# Altium PCB PCB_3_3G_wireless.PcbDoc (part 3 of 6)
Units mm, origin at the board's own origin, x right, y up, seen from the top; angles counter-clockwise.
Board outline 800 x 450.44 mm, 4 copper layers (Top Layer, Y1, S2, Bottom Layer), stack 0.778 mm thick; 1293 components, 1283 nets, 3356 pads, 970 vias.
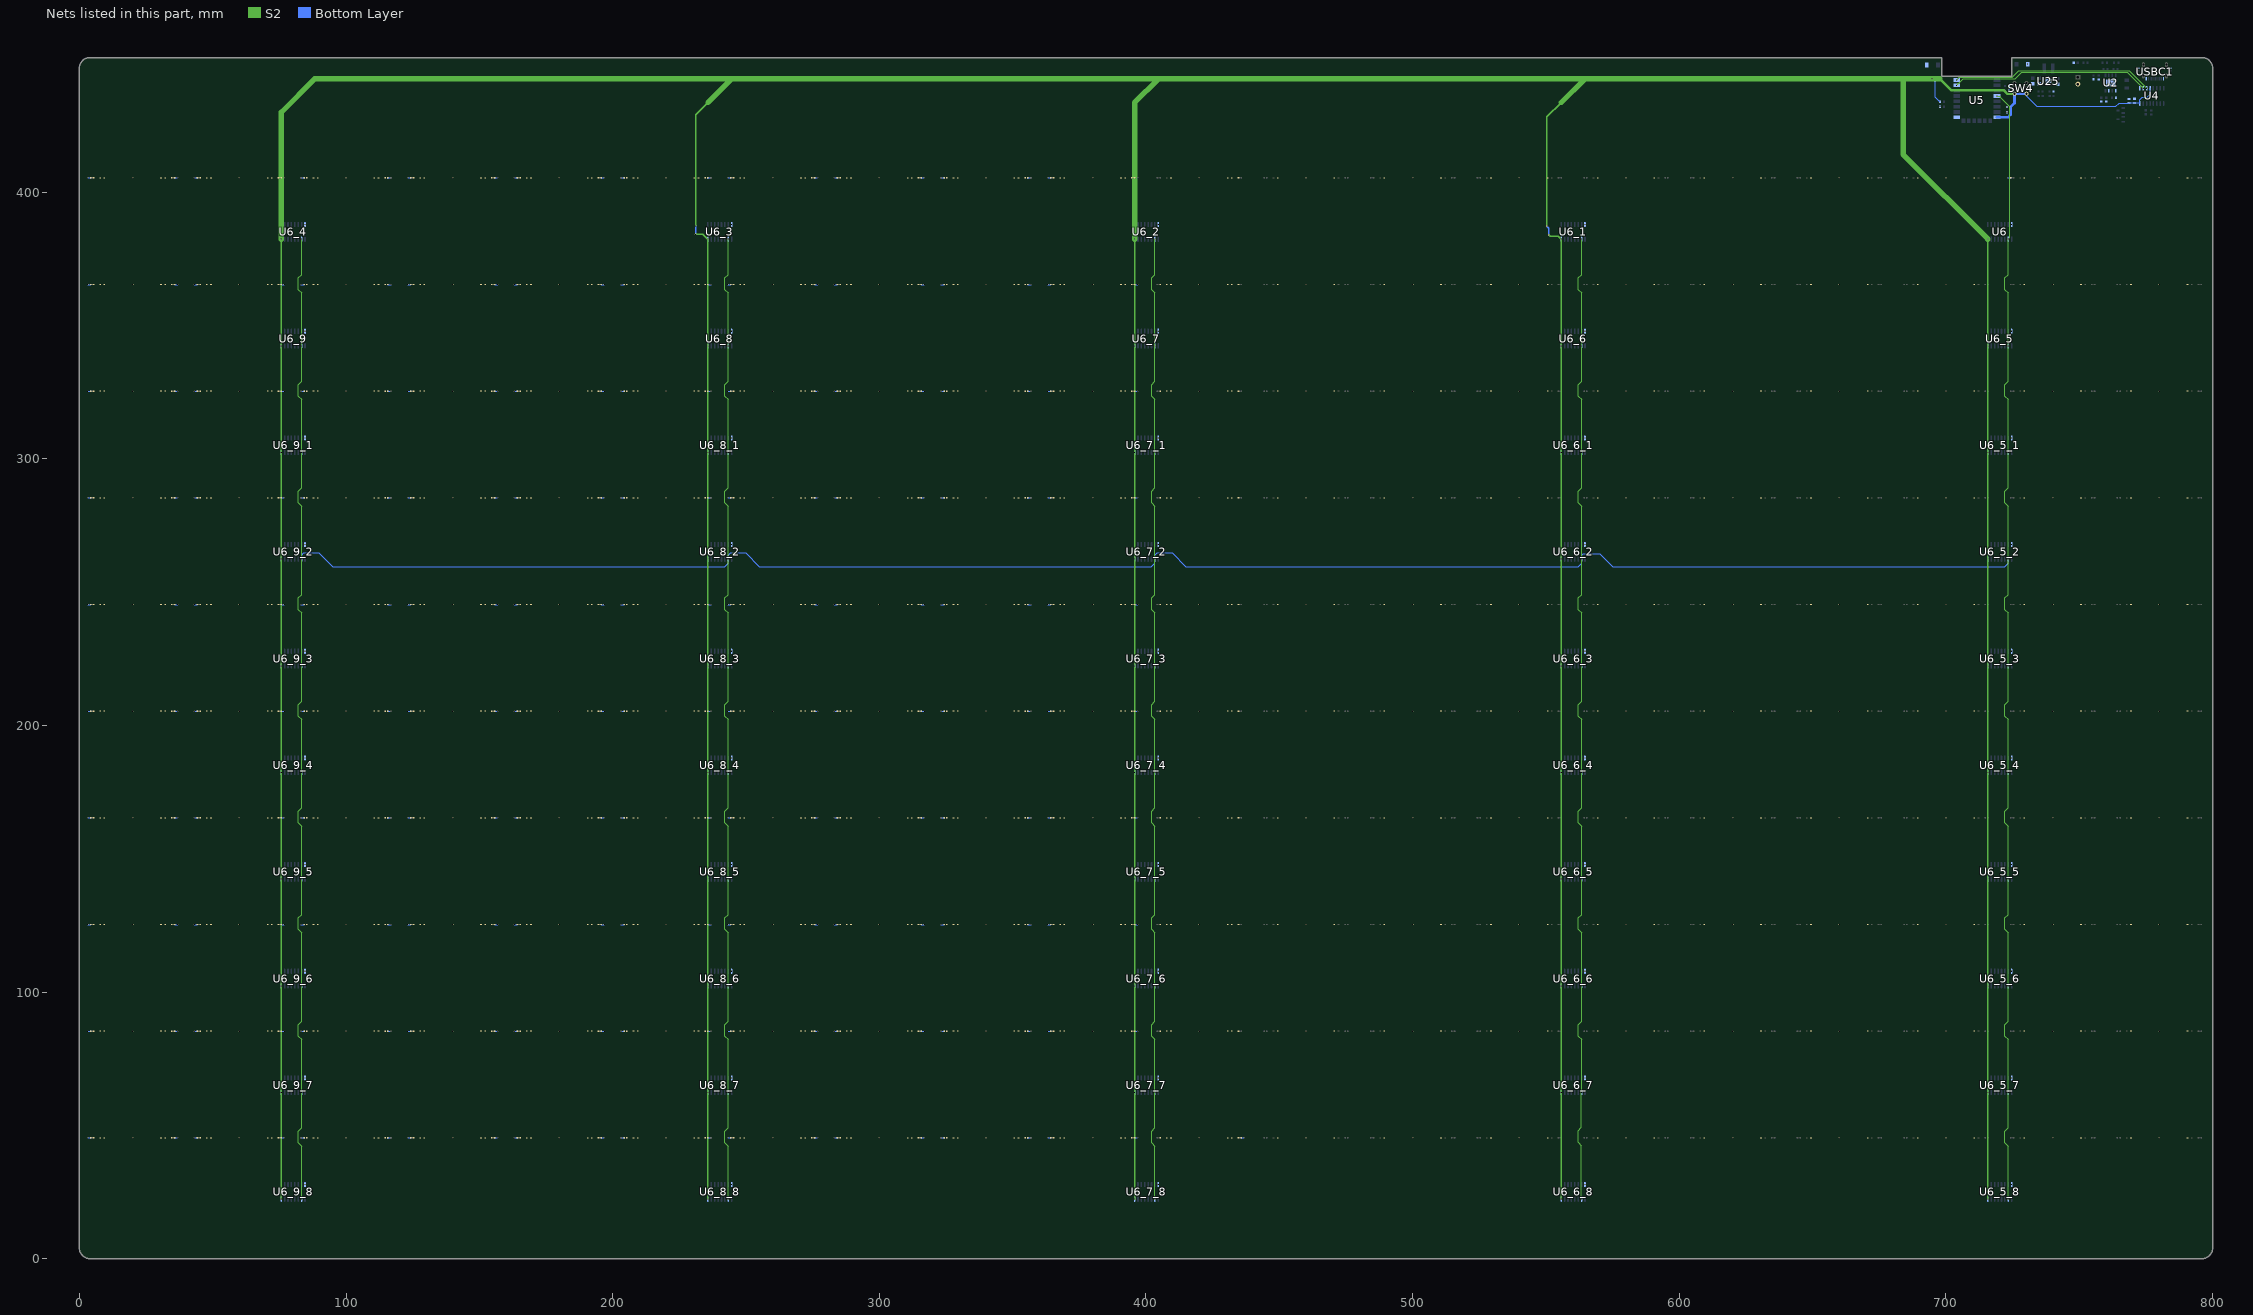
[diagram p5: the nets of this part, all layers, seen from the top]

## Via types
v1: diameter 0.5, hole 0.3, Top Layer to Bottom Layer, tented both sides, 612 vias
v2: diameter 0.45, hole 0.3, Top Layer to Bottom Layer, tented both sides, 354 vias
v3: diameter 0.6, hole 0.4, Top Layer to Bottom Layer, tented both sides, 4 vias

## Nets (pads, with @x,y where several pads share a name; then routed paths per layer and width w, separated by ;. In a path a pad name is that pad's centre, name@x,y a point inside that pad or via, vN(x,y) a via of type N, cw(c..) or ccw(c..) an arc to the next point about the centre after c; other vN are vias at no path point) (continued)
ESP_IO16: U5.4 U6.10 U6_1.10 U6_2.10 U6_3.10 U6_4.10 U6_5.10 U6_5_1.10 U6_5_2.10 U6_5_3.10 U6_5_4.10 U6_5_5.10 U6_5_6.10 U6_5_7.10 U6_5_8.10 U6_6.10 U6_6_1.10 U6_6_2.10 U6_6_3.10 U6_6_4.10 U6_6_5.10 U6_6_6.10 U6_6_7.10 U6_6_8.10 U6_7.10 U6_7_1.10 U6_7_2.10 U6_7_3.10 U6_7_4.10 U6_7_5.10 U6_7_6.10 U6_7_7.10 U6_7_8.10 U6_8.10 U6_8_1.10 U6_8_2.10 U6_8_3.10 U6_8_4.10 U6_8_5.10 U6_8_6.10 U6_8_7.10 U6_8_8.10 U6_9.10 U6_9_1.10 U6_9_2.10 U6_9_3.10 U6_9_4.10 U6_9_5.10 U6_9_6.10 U6_9_7.10 U6_9_8.10 | length 2566.6
  S2 w0.254: v2(83.341,22.328) 83.341,42.204 82.097,43.449 82.097,47.817 83.341,49.062 83.341,82.204 82.097,83.449 82.097,87.817 83.341,89.062 v2(83.341,102.328) 83.341,122.204 82.097,123.449 82.097,127.817 83.341,129.062 v2(83.341,142.328) 83.341,162.204 82.097,163.449 82.097,167.817 83.341,169.062 v2(83.341,182.328) 83.341,202.204 82.097,203.449 82.097,207.817 83.341,209.062 v2(83.341,222.328) 83.341,242.204 82.097,243.449 82.097,247.817 83.341,249.062 v2(83.341,262.328) 83.341,282.204 82.097,283.449 82.097,287.817 83.341,289.062 83.341,322.204 82.097,323.449 82.097,327.817 83.341,329.062 v2(83.341,342.328) 83.341,362.204 82.097,363.449 82.097,367.817 83.341,369.062 v2(83.341,382.328) ; v2(243.341,22.328) 243.341,42.204 242.097,43.449 242.097,47.817 243.341,49.062 v2(243.341,62.328) 243.341,82.204 242.097,83.449 242.097,87.817 243.341,89.062 v2(243.341,102.328) 243.341,122.204 242.097,123.449 242.097,127.817 243.341,129.062 v2(243.341,142.328) 243.341,162.204 242.097,163.449 242.097,167.817 243.341,169.062 v2(243.341,182.328) 243.341,202.204 242.097,203.449 242.097,207.817 243.341,209.062 243.341,242.204 242.097,243.449 242.097,247.817 243.341,249.062 243.341,282.204 242.097,283.449 242.097,287.817 243.341,289.062 v2(243.341,302.328) 243.341,322.204 242.097,323.449 242.097,327.817 243.341,329.062 v2(243.341,342.328) 243.341,362.204 242.097,363.449 242.097,367.817 243.341,369.062 v2(243.341,382.328) ; v2(403.341,22.328) 403.341,42.204 402.097,43.449 402.097,47.817 403.341,49.062 v2(403.341,62.328) 403.341,82.204 402.097,83.449 402.097,87.817 403.341,89.062 v2(403.341,102.328) 403.341,122.204 402.097,123.449 402.097,127.817 403.341,129.062 v2(403.341,142.328) 403.341,162.204 402.097,163.449 402.097,167.817 403.341,169.062 v2(403.341,182.328) 403.341,202.204 402.097,203.449 402.097,207.817 403.341,209.062 v2(403.341,222.328) 403.341,242.204 402.097,243.449 402.097,247.817 403.341,249.062 v2(403.341,262.328) 403.341,282.204 402.097,283.449 402.097,287.817 403.341,289.062 v2(403.341,302.328) 403.341,322.204 402.097,323.449 402.097,327.817 403.341,329.062 v2(403.341,342.328) 403.341,362.204 402.097,363.449 402.097,367.817 403.341,369.062 v2(403.341,382.328) ; v2@563.27,22.535 563.27,42.41 562.026,43.655 562.026,48.024 563.27,49.268 v2@563.27,62.535 ; v2(563.341,62.328) 563.341,82.204 562.097,83.449 562.097,87.817 563.341,89.062 v2(563.341,102.328) 563.341,122.204 562.097,123.449 562.097,127.817 563.341,129.062 563.341,162.204 562.097,163.449 562.097,167.817 563.341,169.062 563.341,202.204 562.097,203.449 562.097,207.817 563.341,209.062 563.341,242.204 562.097,243.449 562.097,247.817 563.341,249.062 563.341,282.204 562.097,283.449 562.097,287.817 563.341,289.062 v2(563.341,302.328) 563.341,322.204 562.097,323.449 562.097,327.817 563.341,329.062 v2(563.341,342.328) 563.341,362.204 562.097,363.449 562.097,367.817 563.341,369.062 v2(563.341,382.328) ; v2(719.112,436.009) 719.945,436.009 723.976,431.978 723.976,382.963 v2(723.341,382.328) 723.341,369.062 722.097,367.817 722.097,363.449 723.341,362.204 v2(723.341,342.328) 723.341,329.062 722.097,327.817 722.097,323.449 723.341,322.204 723.341,289.062 722.097,287.817 722.097,283.449 723.341,282.204 v2(723.341,262.328) 723.341,249.062 722.097,247.817 722.097,243.449 723.341,242.204 723.341,209.062 722.097,207.817 722.097,203.449 723.341,202.204 v2(723.341,182.328) 723.341,169.062 722.097,167.817 722.097,163.449 723.341,162.204 723.341,129.062 722.097,127.817 722.097,123.449 723.341,122.204 723.341,89.062 722.097,87.817 722.097,83.449 723.341,82.204 723.341,49.062 722.097,47.817 722.097,43.449 723.341,42.204 v2(723.341,22.328)
  Bottom Layer w0.254: v2(83.341,262.328) 83.341,263.789 84.21,264.658 89.849,264.658 94.98,259.527 242.046,259.527 243.341,260.822 v2(243.341,262.328) 243.341,263.789 244.21,264.658 249.849,264.658 254.98,259.527 402.046,259.527 403.341,260.822 v2(403.341,262.328) 403.341,263.789 404.21,264.658 409.849,264.658 414.98,259.527 562.046,259.527 563.341,260.822 v2(563.341,262.328) 563.341,263.789 563.992,264.439 570.067,264.439 574.98,259.527 722.046,259.527 723.341,260.822 v2(723.341,262.328)
  other v2: 563.341,22.328 83.341,62.328 723.341,62.328 723.341,102.328 563.341,142.328 723.341,142.328 563.341,182.328 243.341,222.328 563.341,222.328 723.341,222.328 83.341,302.328 723.341,302.328
ESP_RXD: U4.2 U5.15 | length 74.5
  S2 w0.381: v2(704.009,440.009) 706.408,442.408 725.136,442.408 725.198,442.471 726.008,442.471 728.416,444.878 768.042,444.878 v2(773.991,438.93)
ESP_TXD: U4.3 U5.16 | length 75.4
  S2 w0.381: v2(704.009,442.008) 705.044,443.043 724.873,443.043 727.343,445.513 768.677,445.513 v2(775.261,438.93)
GND: C1.1 C3.1 C4.1 C5.1 C6.1 C7.1 C8.2 C9.1 C12.1 C13.1 C14.1 D1.1 D1_1.1 D1_2.1 D1_3.1 D1_4.1 D1_5.1 D1_6.1 D1_7.1 D1_8.1 D1_9.1 D1_10.1 D1_11.1 D1_12.1 D1_13.1 D1_14.1 D1_15.1 D1_16.1 D1_17.1 D1_18.1 D1_19.1 D2.1 D2_1.1 D2_2.1 D2_3.1 D2_4.1 D2_5.1 D2_6.1 D2_7.1 D2_8.1 D2_9.1 D2_10.1 D2_11.1 D2_12.1 D2_13.1 D2_14.1 D2_15.1 D2_16.1 D2_17.1 D2_18.1 D2_19.1 D3.1 D3_1.1 D3_2.1 D3_3.1 D3_4.1 D3_5.1 D3_6.1 D3_7.1 D3_8.1 D3_9.1 D3_10.1 D3_11.1 D3_12.1 D3_13.1 D3_14.1 D3_15.1 D3_16.1 D3_17.1 D3_18.1 D3_19.1 D4.1 D4_1.1 D4_2.1 D4_3.1 D4_4.1 D4_5.1 D4_6.1 D4_7.1 D4_8.1 D4_9.1 D4_10.1 D4_11.1 D4_12.1 D4_13.1 D4_14.1 D4_15.1 D4_16.1 D4_17.1 D4_18.1 D4_19.1 D5.1 D5_1.1 D5_2.1 D5_3.1 D5_4.1 D5_5.1 D5_6.1 D5_7.1 D5_8.1 D5_9.1 D5_10.1 D5_11.1 D5_12.1 D5_13.1 D5_14.1 D5_15.1 D5_16.1 D5_17.1 D5_18.1 D5_19.1 D6.1 D6_1.1 D6_2.1 D6_3.1 D6_4.1 D6_5.1 D6_6.1 D6_7.1 D6_8.1 D6_9.1 D6_10.1 D6_11.1 D6_12.1 D6_13.1 D6_14.1 D6_15.1 D6_16.1 D6_17.1 D6_18.1 D6_19.1 D7.1 D7_1.1 D7_2.1 D7_3.1 D7_4.1 D7_5.1 D7_6.1 D7_7.1 D7_8.1 D7_9.1 D7_10.1 D7_11.1 D7_12.1 D7_13.1 D7_14.1 D7_15.1 D7_16.1 D7_17.1 D7_18.1 D7_19.1 D8.1 D8_1.1 D8_2.1 D8_3.1 D8_4.1 D8_5.1 D8_6.1 D8_7.1 D8_8.1 D8_9.1 D8_10.1 D8_11.1 D8_12.1 D8_13.1 D8_14.1 D8_15.1 D8_16.1 D8_17.1 D8_18.1 D8_19.1 D9.1 D9_1.1 D9_2.1 D9_3.1 D9_4.1 D9_5.1 D9_6.1 D9_7.1 D9_8.1 D9_9.1 D9_10.1 D9_11.1 D9_12.1 D9_13.1 D9_14.1 D9_15.1 D9_16.1 D9_17.1 D9_18.1 D9_19.1 D10.1 D10_1.1 D10_2.1 D10_3.1 D10_4.1 D10_5.1 D10_6.1 D10_7.1 D10_8.1 D10_9.1 D10_10.1 D10_11.1 D10_12.1 D10_13.1 D10_14.1 D10_15.1 D10_16.1 D10_17.1 D10_18.1 D10_19.1 D11.1 D11_1.1 D11_2.1 D11_3.1 D11_4.1 D11_5.1 D11_6.1 D11_7.1 D11_8.1 D11_9.1 D11_10.1 D11_11.1 D11_12.1 D11_13.1 D11_14.1 D11_15.1 D11_16.1 D11_17.1 D11_18.1 D11_19.1 D12.1 D12_1.1 D12_2.1 D12_3.1 D12_4.1 D12_5.1 D12_6.1 D12_7.1 D12_8.1 D12_9.1 D12_10.1 D12_11.1 D12_12.1 D12_13.1 D12_14.1 D12_15.1 D12_16.1 D12_17.1 D12_18.1 D12_19.1 D13.1 D13_1.1 D13_2.1 D13_3.1 D13_4.1 D13_5.1 D13_6.1 D13_7.1 D13_8.1 D13_9.1 D13_10.1 D13_11.1 D13_12.1 D13_13.1 D13_14.1 D13_15.1 D13_16.1 D13_17.1 D13_18.1 D13_19.1 D14.1 D14_1.1 D14_2.1 D14_3.1 D14_4.1 D14_5.1 D14_6.1 D14_7.1 D14_8.1 D14_9.1 D14_10.1 D14_11.1 D14_12.1 D14_13.1 D14_14.1 D14_15.1 D14_16.1 D14_17.1 D14_18.1 D14_19.1 D15.1 D15_1.1 D15_2.1 D15_3.1 D15_4.1 D15_5.1 D15_6.1 D15_7.1 D15_8.1 D15_9.1 D15_10.1 D15_11.1 D15_12.1 D15_13.1 D15_14.1 D15_15.1 D15_16.1 D15_17.1 D15_18.1 D15_19.1 D16.1 D16_1.1 D16_2.1 D16_3.1 D16_4.1 D16_5.1 D16_6.1 D16_7.1 D16_8.1 D16_9.1 D16_10.1 D16_11.1 D16_12.1 D16_13.1 D16_14.1 D16_15.1 D16_16.1 D16_17.1 D16_18.1 D16_19.1 D17.1 D17_1.1 D17_2.1 D17_3.1 D17_4.1 D17_5.1 D17_6.1 D17_7.1 D17_8.1 D17_9.1 D17_10.1 D17_11.1 D17_12.1 D17_13.1 D17_14.1 D17_15.1 D17_16.1 D17_17.1 D17_18.1 D17_19.1 D18.1 D18_1.1 D18_2.1 D18_3.1 D18_4.1 D18_5.1 D18_6.1 D18_7.1 D18_8.1 D18_9.1 D18_10.1 D18_11.1 D18_12.1 D18_13.1 D18_14.1 D18_15.1 D18_16.1 D18_17.1 D18_18.1 D18_19.1 D19.1 D19_1.1 D19_2.1 D19_3.1 D19_4.1 D19_5.1 D19_6.1 D19_7.1 D19_8.1 D19_9.1 D19_10.1 D19_11.1 D19_12.1 D19_13.1 D19_14.1 D19_15.1 D19_16.1 D19_17.1 D19_18.1 D19_19.1 D20.1 D20_1.1 D20_2.1 D20_3.1 D20_4.1 D20_5.1 D20_6.1 D20_7.1 D20_8.1 D20_9.1 D20_10.1 D20_11.1 D20_12.1 D20_13.1 D20_14.1 D20_15.1 D20_16.1 D20_17.1 D20_18.1 D20_19.1 H5.2 R3.1 R7.1 R9.1 R10.2 R13.1 R16.2 SW1.2 SW2.2 U2.1 U2.3 U2.9 U4.1 U5.9 U6.8 U6_1.8 U6_2.8 U6_3.8 U6_4.8 U6_5.8 U6_5_1.8 U6_5_2.8 U6_5_3.8 U6_5_4.8 U6_5_5.8 U6_5_6.8 U6_5_7.8 U6_5_8.8 U6_6.8 U6_6_1.8 U6_6_2.8 U6_6_3.8 U6_6_4.8 U6_6_5.8 U6_6_6.8 U6_6_7.8 U6_6_8.8 U6_7.8 U6_7_1.8 U6_7_2.8 U6_7_3.8 U6_7_4.8 U6_7_5.8 U6_7_6.8 U6_7_7.8 U6_7_8.8 U6_8.8 U6_8_1.8 U6_8_2.8 U6_8_3.8 U6_8_4.8 U6_8_5.8 U6_8_6.8 U6_8_7.8 U6_8_8.8 U6_9.8 U6_9_1.8 U6_9_2.8 U6_9_3.8 U6_9_4.8 U6_9_5.8 U6_9_6.8 U6_9_7.8 U6_9_8.8 U25.3 U25.9 U25.11 USBC1.A1 USBC1.A12 | length 0.2
  Bottom Layer w0.254: R7.1@763.646,435.5 R7.1@763.774,435.371
  other v1: 20,45.308 60,45.308 100,45.308 140,45.308 180,45.308 220,45.308 260,45.308 300,45.308 340,45.308 380,45.308 420,45.308 460,45.308 500,45.308 540,45.308 580,45.308 620,45.308 660,45.308 700,45.308 740,45.308 780,45.308 20,85.308 60,85.308 100,85.308 140,85.308 180,85.308 220,85.308 260,85.308 300,85.308 340,85.308 380,85.308 420,85.308 460,85.308 500,85.308 540,85.308 580,85.308 620,85.308 660,85.308 700,85.308 740,85.308 780,85.308 20,125.308 60,125.308 100,125.308 140,125.308 180,125.308 220,125.308 260,125.308 300,125.308 340,125.308 380,125.308 420,125.308 460,125.308 500,125.308 540,125.308 580,125.308 620,125.308 660,125.308 700,125.308 740,125.308 780,125.308 20,165.308 60,165.308 100,165.308 140,165.308 180,165.308 220,165.308 260,165.308 300,165.308 340,165.308 380,165.308 420,165.308 460,165.308 500,165.308 540,165.308 580,165.308 620,165.308 660,165.308 700,165.308 740,165.308 780,165.308 20,205.308 60,205.308 100,205.308 140,205.308 180,205.308 220,205.308 260,205.308 300,205.308 340,205.308 380,205.308 420,205.308 460,205.308 500,205.308 540,205.308 580,205.308 620,205.308 660,205.308 700,205.308 740,205.308 780,205.308 20,245.308 60,245.308 100,245.308 140,245.308 180,245.308 220,245.308 260,245.308 300,245.308 340,245.308 380,245.308 420,245.308 460,245.308 500,245.308 540,245.308 580,245.308 620,245.308 660,245.308 700,245.308 740,245.308 780,245.308 20,285.308 60,285.308 100,285.308 140,285.308 180,285.308 220,285.308 260,285.308 300,285.308 340,285.308 380,285.308 420,285.308 460,285.308 500,285.308 540,285.308 580,285.308 620,285.308 660,285.308 700,285.308 740,285.308 780,285.308 20,325.308 60,325.308 100,325.308 140,325.308 180,325.308 220,325.308 260,325.308 300,325.308 340,325.308 380,325.308 420,325.308 460,325.308 500,325.308 540,325.308 580,325.308 620,325.308 660,325.308 700,325.308 740,325.308 780,325.308 20,365.308 60,365.308 100,365.308 140,365.308 180,365.308 220,365.308 260,365.308 300,365.308 340,365.308 380,365.308 420,365.308 460,365.308 500,365.308 540,365.308 580,365.308 620,365.308 660,365.308 700,365.308 740,365.308 780,365.308 20,405.308 60,405.308 100,405.308 140,405.308 180,405.308 220,405.308 260,405.308 300,405.308 340,405.308 380,405.308 420,405.308 460,405.308 500,405.308 540,405.308 580,405.308 620,405.308 660,405.308 700,405.308 740,405.308 780,405.308 697.706,432.041 761.741,440.906
  other v2: 84.611,27.8 244.611,27.8 404.611,27.8 564.611,27.8 724.611,27.8 84.611,67.8 244.611,67.8 404.611,67.8 564.611,67.8 724.611,67.8 84.611,107.8 244.611,107.8 404.611,107.8 564.611,107.8 724.611,107.8 84.611,147.8 244.611,147.8 404.611,147.8 564.611,147.8 724.611,147.8 84.611,187.8 244.611,187.8 404.611,187.8 564.611,187.8 724.611,187.8 84.611,227.8 244.611,227.8 404.611,227.8 564.611,227.8 724.611,227.8 84.611,267.8 244.611,267.8 404.611,267.8 564.611,267.8 724.611,267.8 84.611,307.8 244.611,307.8 404.611,307.8 564.611,307.8 724.611,307.8 84.611,347.8 244.611,347.8 404.611,347.8 564.611,347.8 724.611,347.8 84.611,387.8 244.611,387.8 404.611,387.8 564.611,387.8 724.611,387.8 722.875,429.938 722.875,431.909 730.6,447.952
MCU_3V3: BR1_2_2.2 BR1_2_4.2 C7.2 C8.1 C12.2 C13.2 L11_1.1 L11_9.1 R11.1 R12.1 R14.1 SW4.3 SW4.6 U4.4 U4.16 U5.8 U6.16 U6_1.16 U6_2.16 U6_3.16 U6_4.16 U6_5.16 U6_5_1.16 U6_5_2.16 U6_5_3.16 U6_5_4.16 U6_5_5.16 U6_5_6.16 U6_5_7.16 U6_5_8.16 U6_6.16 U6_6_1.16 U6_6_2.16 U6_6_3.16 U6_6_4.16 U6_6_5.16 U6_6_6.16 U6_6_7.16 U6_6_8.16 U6_7.16 U6_7_1.16 U6_7_2.16 U6_7_3.16 U6_7_4.16 U6_7_5.16 U6_7_6.16 U6_7_7.16 U6_7_8.16 U6_8.16 U6_8_1.16 U6_8_2.16 U6_8_3.16 U6_8_4.16 U6_8_5.16 U6_8_6.16 U6_8_7.16 U6_8_8.16 U6_9.16 U6_9_1.16 U6_9_2.16 U6_9_3.16 U6_9_4.16 U6_9_5.16 U6_9_6.16 U6_9_7.16 U6_9_8.16 | length 2870.8
  S2 w0.5: v2(75.721,22.328) v2(75.721,382.328) ; v3(231.064,384.099) 231.14,384.175 233.807,384.175 235.654,382.328 v2(235.721,382.328) v2(235.721,22.328) ; v3(231.115,387.325) 231.115,428.955 235.721,433.562 ; v2(395.721,22.328) v2(395.721,382.328) ; v3(550.316,387.248) 550.316,428.157 555.721,433.562 ; v3(551.078,383.896) 551.561,383.413 554.637,383.413 v2(555.721,382.328) v2(555.721,22.328) ; v2(715.721,22.328) v2(715.721,342.328) v2(715.721,382.328)
  S2 w1: 697.616,442.511 701.942,438.186 721.611,438.186 722.915,436.882 SW4.6@725.702,436.882
  S2 w2: v2(75.721,382.328) 75.721,429.899 88.334,442.511 697.616,442.511 ; 235.721,433.562 244.615,442.455 ; v2(395.721,382.328) 395.721,433.562 404.615,442.455 ; 555.721,433.562 564.615,442.455 ; 683.92,442.443 683.92,414.129 v2(715.721,382.328)
  Bottom Layer w0.254: BR1_2_4.2@75.723,405.308 v1(76.9,405.308) ; BR1_2_2.2@395.723,405.308 v1(396.9,405.308) ; C8.1@768.685,433.395 C7.2@770.674,433.395 C7.2@770.639,433.431 ; U4.16@772.511,433.395 U4.16@772.721,433.185
  Bottom Layer w0.381: v1(694.736,442.506) 695.935,441.307 695.935,435.636 R14.1@697.714,433.857 ; R11.1@723.66,439.745 R12.1@723.66,437.972 ; R12.1@723.675,437.957 R12.1@723.66,437.972 ; SW4.6@725.702,436.882 724.751,436.882 R12.1@723.66,437.972 ; SW4.3@730.202,436.882 730.202,436.016 734.126,432.092 763.704,432.092 764.896,433.283 768.492,433.283 C8.1@768.64,433.431 ; C7.2@770.674,433.395 U4.16@772.511,433.395 ; U4.16@772.721,433.185 772.721,434.619 773.689,435.587 775.51,435.587 776.531,436.608 U4.4@776.531,438.93
  Bottom Layer w0.5: v3(231.064,384.099) 231.064,387.274 v3(231.115,387.325) ; v3(550.316,387.248) 551.078,386.486 v3(551.078,383.896)
  Bottom Layer w1: U5.8@719.112,428.008 723.265,428.008 724.275,429.018 C12.2@724.275,431.909 725.702,433.336 SW4.6@725.702,436.882 SW4.3@730.202,436.882
  other v2: 75.721,62.328 235.721,62.328 395.721,62.328 555.721,62.328 715.721,62.328 75.721,102.328 235.721,102.328 395.721,102.328 555.721,102.328 715.721,102.328 75.721,142.328 235.721,142.328 395.721,142.328 555.721,142.328 715.721,142.328 75.721,182.328 235.721,182.328 395.721,182.328 555.721,182.328 715.721,182.328 75.721,222.328 235.721,222.328 395.721,222.328 555.721,222.328 715.721,222.328 75.721,262.328 235.721,262.328 395.721,262.328 555.721,262.328 715.721,262.328 75.721,302.328 235.721,302.328 395.721,302.328 555.721,302.328 715.721,302.328 75.721,342.328 235.721,342.328 395.721,342.328 555.721,342.328
NewNet1: BR2_1.2 L1_18.1 | length 1.2
  Bottom Layer w0.254: v1(723.1,405.308) BR2_1.2@724.276,405.308
NewNet2: D1.2 L1.2
NewNet3: BR2_3_4.2 L1.1 | length 1.2
  Bottom Layer w0.254: v1(3.1,405.308) BR2_3_4.2@4.276,405.308
NewNet4: BR2_3_9.2 L2.1 | length 1.2
  Bottom Layer w0.254: v1(3.1,365.308) BR2_3_9.2@4.276,365.308
NewNet5: D2.2 L2.2
NewNet6: BR2_3_9_1.2 L3.1 | length 1.2
  Bottom Layer w0.254: v1(3.1,325.308) BR2_3_9_1.2@4.276,325.308
NewNet7: D3.2 L3.2
NewNet8: BR2_3_9_2.2 L4.1 | length 1.2
  Bottom Layer w0.254: v1(3.1,285.308) BR2_3_9_2.2@4.276,285.308
NewNet9: D4.2 L4.2
NewNet10: BR2_3_9_3.2 L5.1 | length 1.2
  Bottom Layer w0.254: v1(3.1,245.308) BR2_3_9_3.2@4.276,245.308
NewNet11: D5.2 L5.2
NewNet12: BR2_3_9_4.2 L6.1 | length 1.2
  Bottom Layer w0.254: v1(3.1,205.308) BR2_3_9_4.2@4.276,205.308
NewNet13: D6.2 L6.2
NewNet14: BR2_3_9_5.2 L7.1 | length 1.2
  Bottom Layer w0.254: v1(3.1,165.308) BR2_3_9_5.2@4.276,165.308
NewNet15: D7.2 L7.2
NewNet16: BR2_3_9_6.2 L8.1 | length 1.2
  Bottom Layer w0.254: v1(3.1,125.308) BR2_3_9_6.2@4.276,125.308
NewNet17: D8.2 L8.2
NewNet18: BR2_3_9_7.2 L9.1 | length 1.2
  Bottom Layer w0.254: v1(3.1,85.308) BR2_3_9_7.2@4.276,85.308
NewNet19: D9.2 L9.2
NewNet20: BR2_3_9_8.2 L10.1 | length 1.2
  Bottom Layer w0.254: v1(3.1,45.308) BR2_3_9_8.2@4.276,45.308
NewNet21: D10.2 L10.2
NewNet22: BR1_3_4.2 L11.1 | length 1.2
  Bottom Layer w0.254: BR1_3_4.2@35.723,405.308 v1(36.9,405.308)
NewNet23: D11.2 L11.2
NewNet24: BR1_3_9.2 L12.1 | length 1.2
  Bottom Layer w0.254: BR1_3_9.2@35.723,365.308 v1(36.9,365.308)
NewNet25: D12.2 L12.2
NewNet26: BR1_3_9_1.2 L13.1 | length 1.2
  Bottom Layer w0.254: BR1_3_9_1.2@35.723,325.308 v1(36.9,325.308)
NewNet27: D13.2 L13.2
NewNet28: BR1_3_9_2.2 L14.1 | length 1.2
  Bottom Layer w0.254: BR1_3_9_2.2@35.723,285.308 v1(36.9,285.308)
NewNet29: D14.2 L14.2
NewNet30: BR1_3_9_3.2 L15.1 | length 1.2
  Bottom Layer w0.254: BR1_3_9_3.2@35.723,245.308 v1(36.9,245.308)
NewNet31: D15.2 L15.2
NewNet32: BR1_3_9_4.2 L16.1 | length 1.2
  Bottom Layer w0.254: BR1_3_9_4.2@35.723,205.308 v1(36.9,205.308)
NewNet33: D16.2 L16.2
NewNet34: BR1_3_9_5.2 L17.1 | length 1.2
  Bottom Layer w0.254: BR1_3_9_5.2@35.723,165.308 v1(36.9,165.308)
NewNet35: D17.2 L17.2
NewNet36: BR1_3_9_6.2 L18.1 | length 1.2
  Bottom Layer w0.254: BR1_3_9_6.2@35.723,125.308 v1(36.9,125.308)
NewNet37: D18.2 L18.2
NewNet38: BR1_3_9_7.2 L19.1 | length 1.2
  Bottom Layer w0.254: BR1_3_9_7.2@35.723,85.308 v1(36.9,85.308)
NewNet39: D19.2 L19.2
NewNet40: BR1_3_9_8.2 L20.1 | length 1.2
  Bottom Layer w0.254: BR1_3_9_8.2@35.723,45.308 v1(36.9,45.308)
NewNet41: D20.2 L20.2
NewNet42: D20_1.2 L20_1.2
NewNet43: D19_1.2 L19_1.2
NewNet44: D18_1.2 L18_1.2
NewNet45: D17_1.2 L17_1.2
NewNet46: D16_1.2 L16_1.2
NewNet47: D15_1.2 L15_1.2
NewNet48: D14_1.2 L14_1.2
NewNet49: D13_1.2 L13_1.2
NewNet50: D12_1.2 L12_1.2
NewNet51: D11_1.2 L11_1.2